# Allegro board MCU035_A_PCB.brd
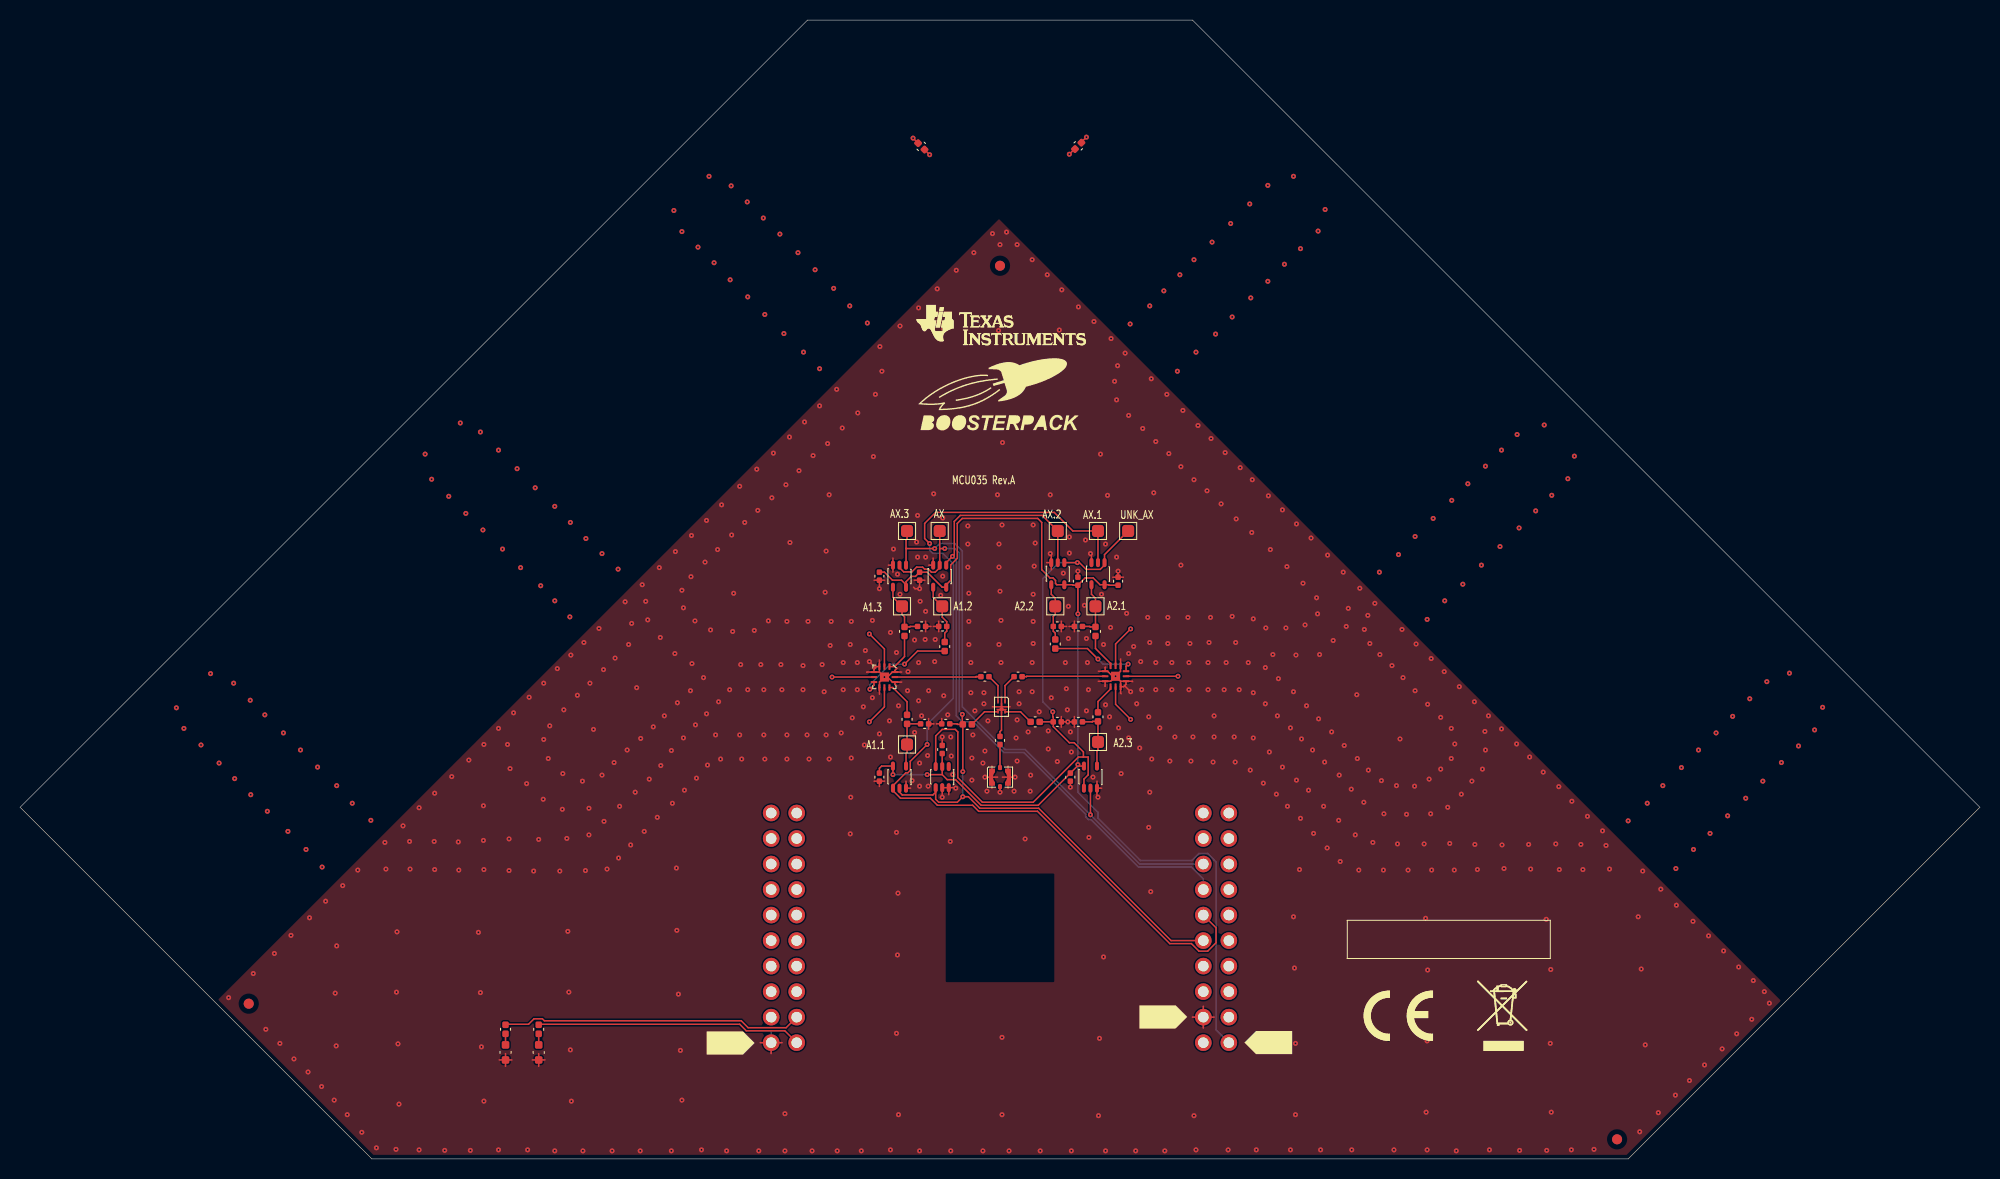
[diagram p0: board, top side]
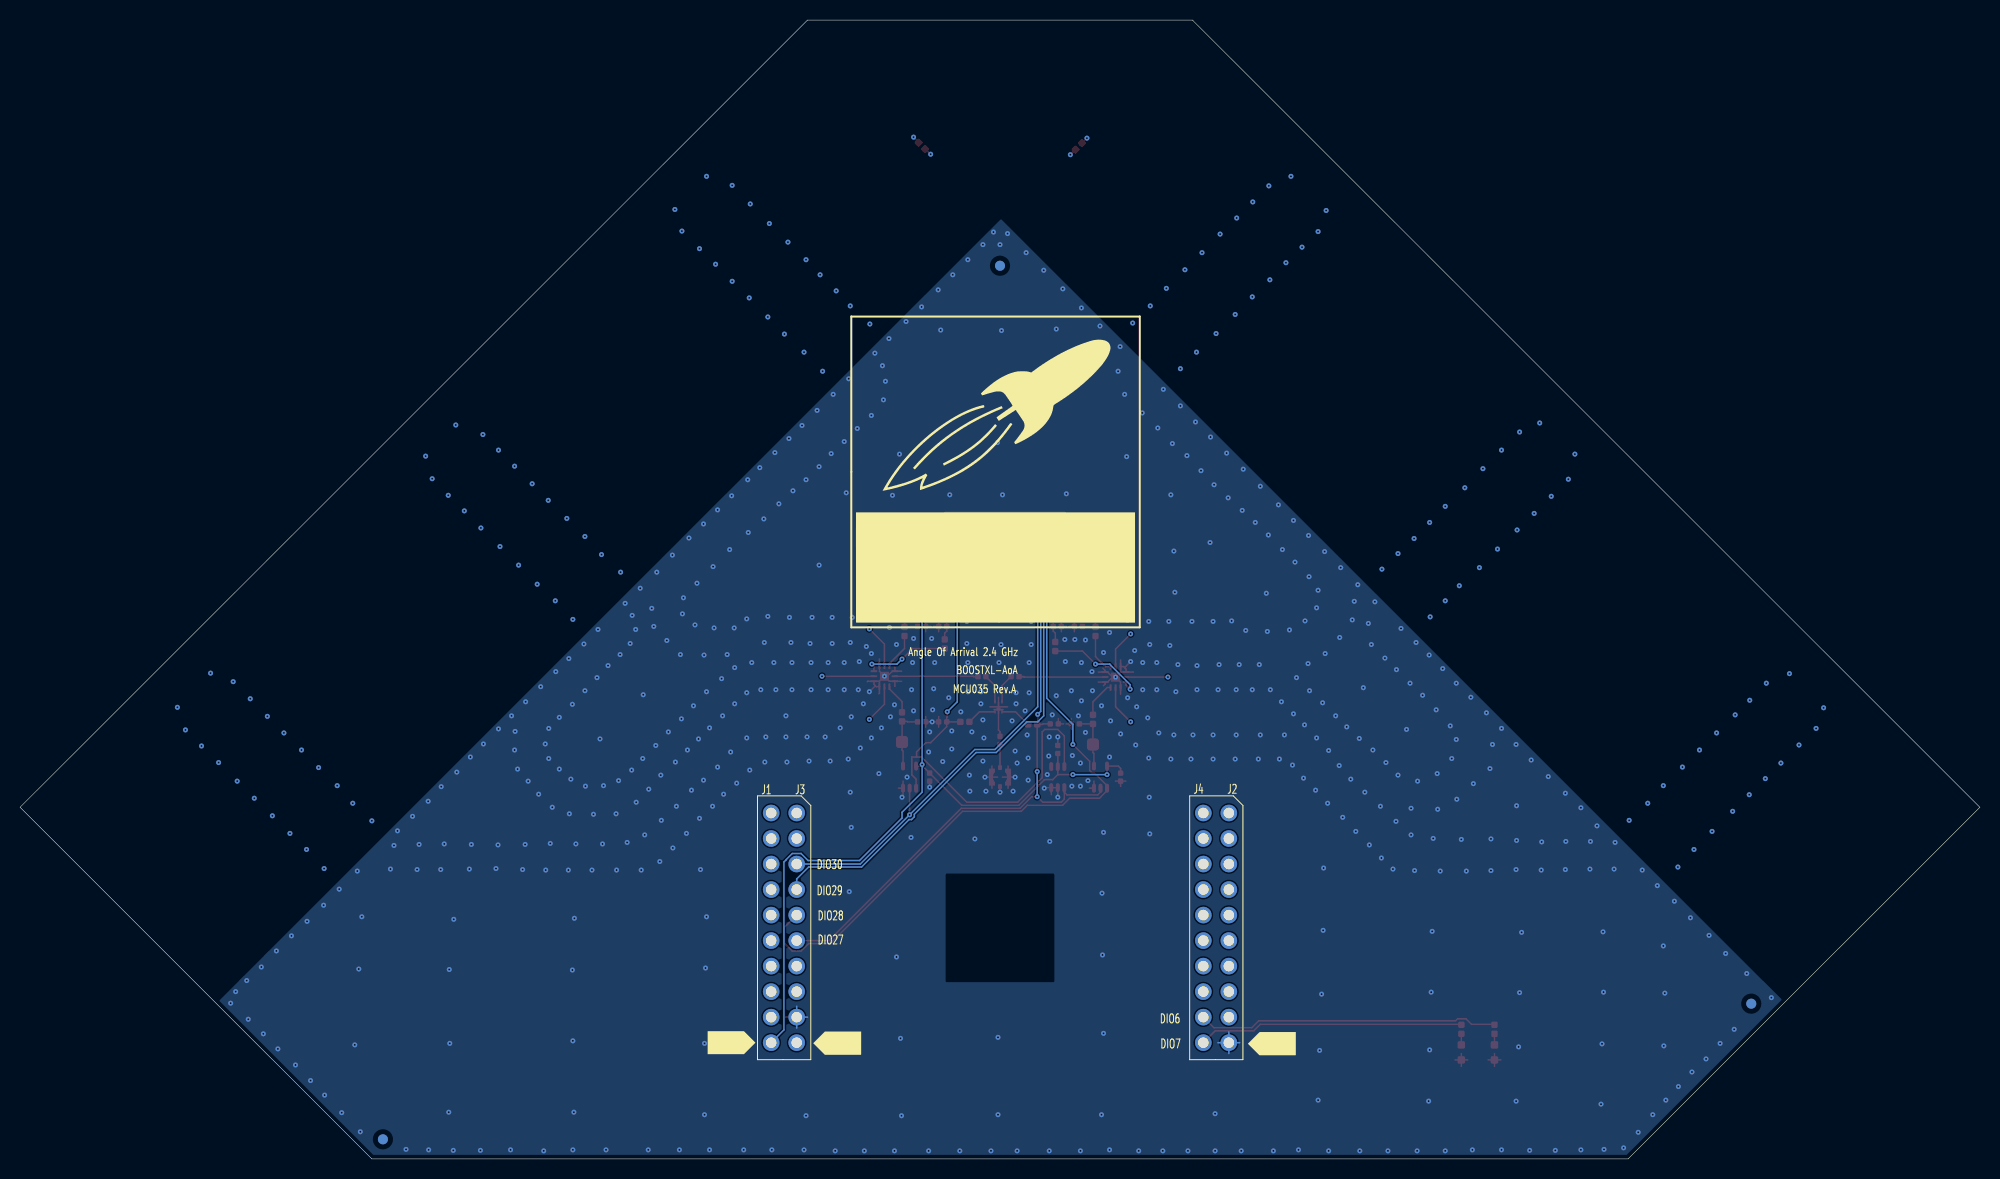
[diagram p1: board, bottom side, seen from below]

Outline 195 x 113.35 mm; copper layers: TOP, LAYER2, LAYER3, LAYER4, LAYER5, BOTTOM. Coordinates in mm from the lower left corner of the outline.
Outline path: 0,35 78.35,113.35 116.65,113.35 195,35 160,0 35,0 0,35

## Design rules (mm)
constraint set DEFAULT: min track width 0.15
net group AX: nets ANT1 ANT2 ANT3 ANT4 ANT5 ANT6

## Placement (name value [footprint] x y rotation side)
A1.1  TP_1.2MM_1.2MM_SMD  [TPS120]  88.25 41.25 0 top
A1.2  TP_1.2MM_1.2MM_SMD  [TPS120]  91.75 55 0 top
A1.3  TP_1.2MM_1.2MM_SMD  [TPS120]  87.75 55 0 top
A2.1  TP_1.2MM_1.2MM_SMD  [TPS120]  107 55 0 top
A2.2  TP_1.2MM_1.2MM_SMD  [TPS120]  103 55 0 top
A2.3  TP_1.2MM_1.2MM_SMD  [TPS120]  107.25 41.5 0 top
AX  TP_1.2MM_1.2MM_SMD  [TPS120]  91.5 62.5 0 top
AX.1  TP_1.2MM_1.2MM_SMD  [TPS120]  107.25 62.5 0 top
AX.2  TP_1.2MM_1.2MM_SMD  [TPS120]  103.25 62.5 0 top
AX.3  TP_1.2MM_1.2MM_SMD  [TPS120]  88.25 62.5 0 top
C1  12pF  [CAPC1005X60L]  91.7 43.3 0 top
C2  12pF  [CAPC1005X60L]  103.6 43.5 180 top
C3  12pF  [CAPC1005X60L]  104.9 53 0 top
C4  12pF  [CAPC1005X60L]  103.6 53 180 top
C5  12pF  [CAPC1005X60L]  104.9 43.5 0 top
C6  12pF  [CAPC1005X60L]  89.6 43.3 0 top
C7  12pF  [CAPC1005X60L]  92.2 53 180 top
C8  12pF  [CAPC1005X60L]  89.3 53 0 top
C9  100nF  [CAPC1005X60L]  91.75 40.35 90 top
C10  100nF  [CAPC1005X60L]  109.25 57.1 90 top
C11  100nF  [CAPC1005X60L]  105.25 57.1 90 top
C12  100nF  [CAPC1005X60L]  104.5 38.4 270 top
C13  100nF  [CAPC1005X60L]  85.5 37.6 90 top
C14  100nF  [CAPC1005X60L]  89.5 58.4 270 top
C15  100nF  [CAPC1005X60L]  85.5 58.4 270 top
C16  12pF  [CAPC1005X60L]  97.5 41.25 90 top
C17  12pF  [CAPC1005X60L]  95.6 48 0 top
C18  12pF  [CAPC1005X60L]  99.7 48 180 top
FIDU1  FIDU_1MM  [FID100X115]  22.75 15.45 0 top
FIDU2  FIDU_1MM  [FID100X115]  97.5 88.9 0 top
FIDU3  FIDU_1MM  [FID100X115]  158.9 1.95 0 top
FIDU4  FIDU_1MM  [FID100X115]  97.5 88.9 180 bottom
FIDU5  FIDU_1MM  [FID100X115]  22.75 15.45 180 bottom
FIDU6  FIDU_1MM  [FID100X115]  158.9 1.95 180 bottom
J1  SSQ-110-23-L-D  [SAMTEC_SSQ11023LD_A2B]  117.73 34.43 0 bottom
J2  SSQ-110-23-L-D  [SAMTEC_SSQ11023LD_A2B]  74.73 34.43 0 bottom
LBL1  -  [LABEL_BOOSTERPACK_ROCKET]  97.33 76.12 0 top
LBL2  -  [LABEL_FOR_EVALUATION_ONLY]  132.2 20.1 0 top
LBL4  TI_LOGO  [TI_LOGO_1]  90.17 85 0 top
LBL6  CE_label  [CE_LABEL]  136.3 11.75 0 top
LBL7  TRASH_7mm  [TRASH_7MM]  145.6 10.75 0 top
LED_GREEN  LPL296-J2L2-25  [LEDC1707X65L]  51.6 9.85 90 top
LED_RED  LS L296-P2Q2-1  [LEDC1708X67L]  48.3 9.85 90 top
NOREF  -  []  35 0 0 top
NOREF#2  -  []  92.5 20.7 0 top
NOREF#3  -  []  94.29 18 90 top
NOREF#4  -  []  125.7 10.25 0 top
NOREF#5  -  []  35 0 90 top
NOREF#6  -  []  121.7 13.5 0 top
NOREF#7  -  []  -23 -54.65 0 top
NOREF#8  -  []  -22.6 -55 0 top
NOREF#9  -  []  0 35 0 top
NOREF#10  -  []  116.65 113.35 0 top
NOREF#11  -  []  0 35 0 top
NOREF#12  -  []  78.35 113.35 0 top
NOREF#13  -  []  94.03 0 90 top
NOREF#14  -  []  160 0 0 top
NOREF#15  -  []  102.39 18.19 0 top
NOREF#16  -  []  0 35 0 top
NOREF#17  -  []  66.2 5.95 0 top
NOREF#18  -  []  0 35 0 top
NOREF#19  -  []  117.8 9.1 180 bottom
NOREF#20  -  []  112.3 52.9 180 bottom
NOREF#21  -  []  74.55 9.05 180 bottom
NOREF#22  -  []  126.65 10.35 180 bottom
P1  MM5829-2700  [MURATA_MM58292700RJ4_A2N]  97.5 38.95 270 top
R3  1k  [RESC1005X40A2N]  107 52.95 270 top
R4  1k  [RESC1005X40A2N]  103 51.7 270 top
R5  1k  [RESC1005X40A2N]  107.25 43.55 90 top
R6  1k  [RESC1005X40A2N]  88.25 43.3 90 top
R7  1k  [RESC1005X40A2N]  92 51.45 270 top
R8  1k  [RESC1005X40A2N]  88 52.95 270 top
R9  1k  [RESC1005X40A2N]  101.45 43.5 180 top
R10  1k  [RESC1005X40A2N]  93.8 43.25 0 top
R11  180  [RESC1005X40A2N]  51.6 12.45 90 top
R12  220  [RESC1005X40A2N]  48.3 12.45 90 top
R13  220  [RESC1005X40A2N]  89.35 101.1 315 top
R14  220  [RESC1005X40A2N]  105.6 101.15 225 top
U1  SKY13323-378  [QFNFC35P100X100X50-6N]  98 45.5 180 top
U2  SKY13408-465LF  [QFNFC50P200X200X65-13A2N]  86.5 49 180 top
U3  SKY13408-465LF  [QFNFC50P200X200X65-13A2N]  108.5 47 0 top
U5  SN74LVC2GU04  [SOT65P210X110-6N]  91.1 36.95 0 top
U6  SN74LVC1G08DCK  [SOT65P210X110-5N]  107.9 59.35 180 top
U7  SN74LVC1G08DCK  [SOT65P210X110-5N]  103.9 59.35 180 top
U8  SN74LVC1G08DCK  [SOT65P210X110-5N]  105.85 36.9 0 top
U9  SN74LVC1G08DCK  [SOT65P210X110-5N]  86.85 36.9 0 top
U10  SN74LVC1G08DCK  [SOT65P210X110-5N]  92.15 59.1 180 top
U11  SN74LVC1G08DCK  [SOT65P210X110-5N]  88.15 59.1 180 top
UNK_AX  TP_1.2MM_1.2MM_SMD  [TPS120]  110.25 62.5 0 top

## Library data of the parts
A1.1-A1.3 A2.1-A2.3 AX AX.1-AX.3 UNK_AX = TEST_POINT
C1-C18 = CAPACITOR: alternate symbols: (CAPC1005X60L,CAPC1005X60M)
FIDU1-FIDU6 = FIDMARK
J1 J2 = CONN_HEADER_2X10_J_S_V1: User Part Number: #PN; alternate symbols: (SAMTEC_SSQ11023LD_A2C,SAMTEC_SSQ11023LD_A2A)
LBL1 = LABEL_LAUNCHPAD_ROCKET: User Part Number: #PN
LBL2 = LABEL_FOR_EVALUATOIN_ONLY: User Part Number: #PN
LBL4 = TI_LOGO_V1
LBL6 = CE_LABEL
LBL7 = TRASH_V2: User Part Number: #PN
LED_GREEN = LED: alternate symbols: (LEDC1707X65L,LEDC1707X65M)
LED_RED = LED: alternate symbols: (LEDC1708X67L,LEDC1708X67M)
P1 = CONN_COAX_1_1_P_2MH_V1: User Part Number: #PN; alternate symbols: (MURATA_MM58292700RJ4_A2L,MURATA_MM58292700RJ4_A2M)
R3-R14 = RESISTOR: User Part Number: #PN; alternate symbols: (RESC1005X40A2L,RESC1005X40A2M)
U1 = IC_SWITCH_SKY13323-378L_QFN6: User Part Number: #PN
U2 U3 = IC_RF_SKY13408-465LF_QFN12_V1: User Part Number: #PN; alternate symbols: (QFNFC50P200X200X65-13A2L,QFNFC50P200X200X65-13A2M)
U5 = IC_LOGIC_SN74LVC2GU04_SC70_V1: alternate symbols: (SOT65P210X110-6L,SOT65P210X110-6M)
U6-U11 = IC_LOGIC_SN74LVC1G08_SC70-5_V1: alternate symbols: (SOT65P210X110-5L,SOT65P210X110-5M)

## Footprints (pads in the part's own frame, mm; a bottom-side part is the same pattern mirrored in y, then rotated)
CAPC1005X60L
  custom 0.55x0.54 smd: 1(0,0) 2(0.8,0)
CE_LABEL
  oval 0.025x0.051 smd: 1(-0.15,0.1)
FID100X115
  round 1 smd: 1(0,0)
LEDC1707X65L
  custom 0.75x0.75 smd: 1(0,0) 2(1.5,0)
LEDC1708X67L
  custom 0.75x0.75 smd: 1(0,0) 2(1.5,0)
MURATA_MM58292700RJ4_A2N
  custom 0.5x0.4 smd: 1(0,0) 2(1.9,0)
  custom 1.7x0.6 smd: M1(0.95,-0.8) M2(0.95,0.8)
QFNFC35P100X100X50-6N
  custom 0.15x0.35 smd: 1(0,0) 3(0.7,0) 4(0.7,1) 5(0.35,1) 6(0,1)
  custom 1x0.805 smd: 2(0.35,0.5)
QFNFC50P200X200X65-13A2N
  custom 0.2x0.65 smd: 1(0,0) 2(0.5,0) 3(1,0) 7(1,2.08) 8(0.5,2.08) 9(0,2.08)
  custom 0.65x0.2 smd: 4(1.54,0.54) 5(1.54,1.04) 6(1.54,1.54) 10(-0.54,1.54) 11(-0.54,1.04) 12(-0.54,0.54)
  rect 0.9x0.9 smd: 13(0.5,1.04)
RESC1005X40A2N
  custom 0.65x0.64 smd: 1(0,0) 2(0.9,0)
SAMTEC_SSQ11023LD_A2B
  round 1.65 hole 1.05: 1(0,0) 2(2.54,0) 3(0,2.54) 4(2.54,2.54) 5(0,5.08) 6(2.54,5.08) 7(0,7.62) 8(2.54,7.62) 9(0,10.16) 10(2.54,10.16) 11(0,12.7) 12(2.54,12.7) 13(0,15.24) 14(2.54,15.24) 15(0,17.78) 16(2.54,17.78) 17(0,20.32) 18(2.54,20.32) 19(0,22.86) 20(2.54,22.86)
SOT65P210X110-5N
  oval 0.4x0.9 smd: 1(0,0) 2(0.65,0) 3(1.3,0) 4(1.3,2.2) 5(0,2.2)
SOT65P210X110-6N
  oval 0.4x0.9 smd: 1(0,0) 2(0.65,0) 3(1.3,0) 4(1.3,2.1) 5(0.65,2.1) 6(0,2.1)
TPS120
  custom 1.2x1.2 smd: 1(0,0)

## Nets
GND: C1.1 C2.1 C3.1 C4.1 C5.1 C6.2 C7.2 C8.2 C9.2 C10.2 C11.2 C12.2 C13.1 C14.2 C15.2 J1.17 J2.19 LED_GREEN.1(C) LED_RED.1(C) P1.2 P1.M1 P1.M2 R13.2 R14.2 U1.2 U2.3 U2.4 U2.7 U2.10 U2.12 U2.13 U3.3 U3.4 U3.7 U3.10 U3.12 U3.13 U5.2 U5.3 U6.3 U7.3 U8.3 U9.3 U10.3 U11.3
GND2: R13.1
GND3: R14.1
VDDS: C9.1 C10.1 C11.1 C12.1 C13.2 C14.1 C15.1 J1.20 U5.5(VCC) U6.5 U7.5 U8.5 U9.5 U10.5 U11.5
_AX: C2.2 R9.1 U5.6 U6.1 U7.1 U8.1 UNK_AX.1
ANT1: U2.8
ANT2: U2.5
ANT3: U2.2
ANT4: U3.8
ANT5: U3.5
ANT6: U3.2
AX: AX.1 C1.2 J1.11 R10.1 U5.1 U9.2 U10.2 U11.2
AX.1: AX.1.1 J1.9 U6.2 U9.1
AX.2: AX.2.1 J1.7 U7.2 U10.1
AX.3: AX.3.1 J1.5 U8.2 U11.1
DIO6_RLED: J2.18 R12.2
DIO7_GLED/LED_PWM: J2.20 R11.2
N425181: C16.1 P1.1
N425288: C16.2 U1.5
N426207: C18.2 U1.1
N426219: C17.2 U1.3
N426254: C18.1 U3.11
N426301: C17.1 U2.11
N1430973: R3.2 U3.9
N1430985: A2.1.1 C3.2 R3.1 U6.4(Y)
N1431032: A2.2.1 C4.2 R4.1 U7.4(Y)
N1431076: A2.3.1 C5.2 R5.1 U8.4(Y)
N1431119: R4.2 U3.6
N1431128: R5.2 U3.1(V3)
N1436088: A1.3.1 C8.1 R8.1 U11.4(Y)
N1436095: A1.2.1 C7.1 R7.1 U10.4(Y)
N1436102: A1.1.1 C6.1 R6.1 U9.4(Y)
N1436751: R6.2 U2.9
N1436763: R7.2 U2.6
N1436767: R8.2 U2.1(V3)
N1437911: R9.2 U1.6
N1438003: R10.2 U1.4(VCTL2)
N1442122: LED_RED.2 R12.1
N1442126: LED_GREEN.2 R11.1

Pads without a net: FIDU1 1; FIDU2 1; FIDU3 1; FIDU4 1; FIDU5 1; FIDU6 1; J1 1 2 3 4 6 8 10 12 13 14 15 16 18 19; J2 1 2 3 4 5 6 7 8 9 10 11 12 13 14 15 16 17; LBL6 1; U5 4

## Via types
v1: diameter 0.5, hole 0.2, TOP to BOTTOM, 795 vias

## Routing (per net, layer and track width the routed paths; a pad name or vN(x,y) marks a point on that pad's centre or on a via; arc(x,y) is an arc through that point)
GND: length 106.5
  TOP w0.15: v1(109,48.04) 108.51,47.55 107.97,47.55 U3.12 ; v1(109,48.04) 108.7,48.04 108.2,48.54 U3.10 ; v1(109,48.04) 109.5,47.54 ; v1(109,48.04) 109.49,48.53 109.49,49.07 U3.7 109.5,49.75 ; 117.73,13.03 J1.17 ; J1.17 118.81,14.11 ; J1.17 117.73,15.19 ; J1.17 116.65,14.11 ; 91.4,52.48 C7.2 ; C7.2 91.4,53.52 ; C7.2 90.87,53 ; P1.M1 97.25,38 ; P1.M1 v1(96,38) ; P1.M1 96.7,39.1 ; P1.M1 96.7,36.9 ; 104.9,52.48 C3.1 ; C3.1 104.9,53.52 ; C3.1 104.37,53 ; U2.10 87.71,47.46 ; U2.10 86.8,47.46 86.3,47.96 ; U2.10 87.04,47.26 87.2,47.1 ; v1(86,47.96) 86,47.66 ; v1(86,47.96) 85.5,48.46 ; v1(86,47.96) 86.3,47.96 ; v1(86,47.96) 85.51,47.47 85.51,46.93 U2.7 ; C4.1 104.13,53 ; C4.1 103.6,53.52 ; C4.1 103.6,52.48 ; P1.2 v1(97.5,36.5) ; 90.4,59.1 U10.3 90.85,59.8 ; 84.98,37.6 C13.1 ; C13.1 85.5,37.07 ; C13.1 86.02,37.6 ; 109.5,47.54 U3.3 ; 109.5,47.54 U3.4 ; P1.M2 v1(99,38) ; P1.M2 97.75,38 ; P1.M2 98.3,36.9 ; P1.M2 98.3,39.1 ; C15.2 86.02,57.6 ; C15.2 v1(85.5,56.75) ; C15.2 84.98,57.6 ; 86.3,47.96 86.8,48.46 U2.12 ; J2.19 75.81,11.57 ; J2.19 74.73,10.49 ; J2.19 73.65,11.57 ; 107.95,47.05 107.96,47.06 U3.12 ; C11.2 v1(105.25,58.5) ; U1.2 97.65,45.95 ; U1.2 98.5,45 ; U1.2 96.75,45 ; U7.3 102.6,60.15 v1(102.5,60.25) ; U7.3 102.6,58.65 ; U7.3 102.15,59.35 ; R13.2 v1(90.5,99.95) ; U3.12 107.29,47.54 ; U2.4 84.96,48.76 85.08,48.88 ; U2.4 85.5,48.46 ; U2.4 84.26,48.46 84.25,48.45 ; 92.4,36.25 U5.3 ; U5.3 U5.2 v1(91.75,36) ; U5.3 92.85,36.95 ; 85.5,48.46 U2.3 ; 51.6,9.22 LED_GREEN.1 ; LED_GREEN.1 52.23,9.85 ; LED_GREEN.1 50.97,9.85 ; LED_GREEN.1 51.6,10.48 ; U3.3 109.8,47 109.91,47.11 ; U3.3 109.5,46.35 109.55,46.3 ; 109.91,47.11 109.91,47.09 v1(110.5,46.5) ; 109.91,47.11 110.04,47.24 U3.4 ; 88.9,56.9 89.05,56.75 v1(89.5,56.75) C14.2 ; v1(106.5,60.25) 106.6,60.15 U6.3 ; C2.1 103.6,44.02 ; C2.1 v1(104.25,43.5) C5.1 ; C2.1 103.6,42.98 ; 85.08,48.88 85.08,48.92 v1(84.5,49.5) ; 85.08,48.88 85.2,49 U2.3 ; U2.3 85.5,49.65 ; U2.7 85.5,46.25 ; U2.7 85.5,47.16 ; U3.4 110.66,47.54 110.7,47.5 ; U2.12 87.04,48.61 87.26,48.84 ; U2.12 87.71,48.46 ; C5.1 104.9,44.02 ; C5.1 104.9,42.98 ; C10.2 109.77,57.9 ; C10.2 v1(109.25,58.5) ; C10.2 108.73,57.9 ; U8.3 107.15,37.6 ; U8.3 107.15,36.1 v1(107.25,36) ; U8.3 107.6,36.9 ; LED_RED.1 48.93,9.85 ; LED_RED.1 48.3,9.22 ; LED_RED.1 47.67,9.85 ; LED_RED.1 48.3,10.48 ; 86.4,59.1 U11.3 ; U11.3 86.85,59.8 ; U11.3 86.85,58.4 ; 108,48.95 107.96,48.91 U3.10 ; 90.4,42.78 C6.2 ; C6.2 90.4,43.82 ; C6.2 90.93,43.3 ; 88.6,36.9 U9.3 88.15,37.6 ; 91.17,43.3 C1.1 91.7,43.82 ; C12.2 v1(104.5,37) ; C8.2 90.63,53 ; C8.2 90.1,53.52 ; C8.2 90.1,52.48 ; v1(104.4,100) 104.91,100.51 R14.2 ; U3.10 107.29,48.54 ; C14.2 88.98,57.6 ; C14.2 90.02,57.6 ; C9.2 v1(91.75,42)
  LAYER2 w0.15: 117.73,13.03 J1.17 ; J1.17 117.73,15.19 ; J1.17 118.81,14.11 ; J1.17 116.65,14.11 ; 74.73,10.49 J2.19 ; J2.19 74.73,12.65 ; J2.19 73.65,11.57 ; J2.19 75.81,11.57
  LAYER5 w0.15: 74.73,10.49 J2.19 ; J2.19 75.81,11.57 ; J2.19 74.73,12.65 ; J2.19 73.65,11.57 ; 117.73,13.03 J1.17 ; J1.17 116.65,14.11 ; J1.17 118.81,14.11 ; J1.17 117.73,15.19
  BOTTOM w0.15: 73.65,11.57 J2.19 ; J2.19 74.73,12.65 ; J2.19 74.73,10.49 ; J2.19 75.81,11.57 ; 117.73,13.03 J1.17 ; J1.17 117.73,15.19 ; J1.17 116.65,14.11
  vias: v1(15.55,44.9) v1(16.3,42.85) v1(18,41.2) v1(18.95,48.3) v1(19.8,39.4) v1(20.75,16.05) v1(21.25,47.35) v1(21.35,37.85) v1(22.9,45.65) v1(22.95,36.25) v1(23.2,18.45) v1(24.35,44.2) v1(24.45,12.9) v1(24.6,34.6) v1(25.3,20.45) v1(25.85,11.5) v1(26.2,42.4) v1(26.65,32.6) v1(26.95,22.25) v1(27.25,9.95) v1(27.9,40.7) v1(28.45,30.8) v1(28.65,8.65) v1(28.8,24) v1(29.6,39) v1(30.05,29.05) v1(30,7.2) v1(30.4,25.65) v1(31.25,5.85) v1(31.35,16.5) v1(31.5,37.15) v1(31.5,21.2) v1(31.45,11.25) v1(32.1,27.2) v1(32.55,4.4) v1(33.05,35.4) v1(33.6,28.75) v1(34,2.65) v1(34.9,33.7) v1(35.45,1.1) v1(36.3,31.5) v1(36.4,28.85) v1(37.4,0.95) v1(37.5,22.6) v1(37.45,16.6) v1(37.6,11.45) v1(37.7,5.45) v1(38.1,33.15) v1(38.75,31.6) v1(38.8,28.85) v1(39.7,34.95) v1(39.7,0.9) v1(40.3,70.15) v1(40.95,67.65) v1(41.25,36.4) v1(41.2,31.6) v1(41.25,28.8) v1(42.25,0.85) v1(42.65,65.95) v1(42.95,38.05) v1(43.6,31.55) v1(43.65,28.75) v1(43.8,73.25) v1(44.35,64.25) v1(44.65,39.7) v1(44.8,0.85) v1(45.6,22.55) v1(45.8,72.35) v1(45.8,16.55) v1(45.9,11.15) v1(46.05,62.6) v1(46.15,41.25) v1(46.1,35.15) v1(46.1,31.7) v1(46.15,28.8) v1(46.15,5.75) v1(47.6,70.55) v1(47.6,42.85) v1(47.6,0.9) v1(48,60.7) v1(48.5,41.25) v1(48.65,31.85) v1(48.65,28.7) v1(48.75,38.85) v1(49.1,44.4) v1(49.45,68.7) v1(49.8,58.85) v1(50.4,37.35) v1(50.5,0.9) v1(50.65,45.95) v1(51.1,28.65) v1(51.25,66.8) v1(51.6,31.8) v1(51.8,57.05) v1(52.05,35.8) v1(52.1,47.35) v1(52.1,41.75) v1(52.55,39.85) v1(52.7,43.1) v1(53.2,64.95) v1(53.2,55.55) v1(53.2,0.8) v1(53.45,48.8) v1(53.7,28.65) v1(54,38.35) v1(53.95,34.8) v1(54.1,44.7) v1(54.4,31.9) v1(54.5,22.65) v1(54.6,16.6) v1(54.7,53.95) v1(54.75,63.35) v1(54.8,50.15) v1(54.75,10.85) v1(54.85,5.75) v1(55.45,46.15) v1(55.95,37.6) v1(56,0.8) v1(56.1,51.4) v1(56.25,28.7) v1(56.3,61.75) v1(56.6,34.9) v1(56.6,32.25) v1(56.7,47.35) v1(57.05,42.75) v1(57.6,52.8) v1(57.9,60.25) v1(57.9,38.2) v1(58.05,48.7) v1(58.1,33.6) v1(58.4,28.85) v1(58.9,0.8) v1(59.1,39.45) v1(59.2,49.85) v1(59.5,58.7) v1(59.55,29.95) v1(59.65,35.1) v1(60.2,55.45) v1(60.4,40.7) v1(60.55,51.2) v1(60.85,53.3) v1(60.75,31.25) v1(61.2,36.5) v1(61.35,46.9) v1(61.7,0.8) v1(61.75,41.85) v1(61.9,57.15) v1(62.1,32.6) v1(62.25,55.5) v1(62.45,53.65) v1(62.6,37.8) v1(63,43) v1(63.4,34) v1(63.6,58.85) v1(63.7,51.9) v1(63.75,39.15) v1(64.1,44.1) v1(64.8,40.65) v1(64.8,0.8) v1(64.9,35.4) v1(65.05,94.4) v1(65.2,60.45) v1(65.15,50.3) v1(65.3,28.95) v1(65.35,22.75) v1(65.4,45.4) v1(65.5,16.4) v1(65.7,10.8) v1(65.85,92.3) v1(65.85,56.6) v1(65.85,5.85) v1(66,54.85) v1(66,41.9) v1(66.1,36.7) v1(66.7,46.6) v1(66.8,62.05) v1(66.75,57.95) v1(66.85,49.3) v1(67.15,53.55) v1(67.2,43.2) v1(67.3,37.9) v1(67.45,90.75) v1(67.8,0.9) v1(68,47.9) v1(68.15,59.4) v1(68.3,63.55) v1(68.3,44.3) v1(68.4,39.2) v1(68.55,97.8) v1(68.7,52.65) v1(69.05,89.2) v1(69.2,42.2) v1(69.4,60.65) v1(69.5,45.5) v1(69.7,39.8) v1(69.8,65.1) v1(70.3,0.8) v1(70.6,46.7) v1(70.65,87.5) v1(70.75,96.85) v1(70.8,62.1) v1(70.9,52.5) v1(71,56.3) v1(71.6,66.95) v1(71.6,42.2) v1(71.7,49.2) v1(71.8,39.8) v1(72.1,63.35) v1(72.35,95.25) v1(72.4,85.8) v1(72.4,46.7) v1(73.05,52.6) v1(73.3,68.65) v1(73.4,64.55) v1(73.5,0.8) v1(73.7,49.2) v1(73.95,93.65) v1(74,46.7) v1(74,42.2) v1(74.1,84.05) v1(74.1,39.8) v1(74.45,53.55) v1(74.8,65.8) v1(74.95,70.25) v1(75.6,92.05) v1(75.7,49.2) v1(75.8,46.7) v1(76,82.15) v1(76.1,4.5) v1(76.1,0.8) v1(76.2,67.1) v1(76.3,53.5) v1(76.3,42.2) v1(76.3,39.8) v1(76.55,71.85) v1(76.6,61.35) v1(77.4,90.2) v1(77.5,68.5) v1(77.9,49.1) v1(77.9,46.7) v1(77.95,80.3) v1(78.05,73.35) v1(78.3,42.2) v1(78.4,53.5) v1(78.5,39.8) v1(78.8,0.8) v1(78.9,70) v1(79.1,88.5) v1(79.55,78.65) v1(79.55,74.95) v1(79.8,49.2) v1(80,46.5) v1(80.1,56.4) v1(80.2,60.5) v1(80.2,42.2) v1(80.35,71.2) v1(80.5,66.1) v1(80.5,39.8) v1(80.6,51.1) v1(80.7,53.5) v1(80.95,86.65) v1(81.25,76.6) v1(81.3,0.8) v1(81.7,42.4) v1(81.8,72.75) v1(81.9,49.4) v1(81.9,46.7) v1(82.55,84.9) v1(82.6,51.2) v1(82.6,32.35) v1(82.7,53.5) v1(82.7,39.9) v1(82.65,36) v1(82.8,43.9) v1(83.35,74.25) v1(83.3,49.4) v1(83.3,46.7) v1(83.7,0.8) v1(83.9,45) v1(84,41.2) v1(84.1,50.6) v1(84.3,83.2) v1(84.8,53.6) v1(84.8,45.9) v1(84.9,69.9) v1(85.1,76.1) v1(85.55,80.85) v1(85.5,42.3) v1(85.75,78.4) v1(86.5,43.6) v1(86.6,52.4) v1(86.6,40) v1(86.6,0.9) v1(86.9,60.7) v1(87.2,50.4) v1(87.2,32.5) v1(87.2,12.5) v1(87.3,58.2) v1(87.35,26.45) v1(87.3,20.3) v1(87.4,45.1) v1(87.4,4.4) v1(87.55,82.9) v1(87.55,56.2) v1(88.35,48.5) v1(88.3,46.6) v1(88.75,37.65) v1(89,51.65) v1(89,42.45) v1(89.2,61.4) v1(89.3,64.05) v1(89.3,59.9) v1(89.4,84.7) v1(89.4,49.4) v1(89.4,45.6) v1(89.55,55.5) v1(89.5,39.4) v1(89.5,37.1) v1(89.5,0.8) v1(89.7,44.1) v1(90.05,51.7) v1(90.1,59.9) v1(90.1,54.5) v1(90.3,40.15) v1(90.35,37.1) v1(90.4,46.6) v1(90.9,66.2) v1(91.05,51.7) v1(91,49.5) v1(91.25,86.6) v1(91.6,56.1) v1(91.8,63.8) v1(91.8,58) v1(91.9,82.6) v1(91.9,46.1) v1(92.3,44.2) v1(92.55,31.6) v1(92.6,42) v1(92.6,0.8) v1(92.65,40.1) v1(92.8,38.25) v1(93.1,36.9) v1(93.15,88.45) v1(94.3,63) v1(94.3,61.2) v1(94.3,58.9) v1(94.4,56.3) v1(94.4,53.5) v1(94.4,51.2) v1(94.6,49.4) v1(94.6,46.4) v1(94.7,39.9) v1(94.7,37.7) v1(94.8,42.2) v1(94.9,90.2) v1(95,44.6) v1(95.8,39.4) v1(95.8,0.8) v1(95.9,46.4) v1(95.9,45.3) v1(96,40.6) v1(96.2,36.6) v1(96.3,43.6) v1(96.75,92.1) v1(97.25,66.1) v1(97.35,82.45) v1(97.4,61.2) v1(97.4,58.9) v1(97.4,51.2) v1(97.5,91) v1(97.5,56.5) v1(97.6,53.6) v1(97.6,49.4) v1(97.7,63.1) v1(97.7,12.1) v1(97.7,4.4) v1(97.75,71.3) v1(98.15,92.25) v1(98.4,0.8) v1(98.9,36.6) v1(99.1,41.9) v1(99.2,91) v1(99.2,43.7) v1(99.2,39.6) v1(99.4,46.5) v1(99.4,45.3) v1(100,31.85) v1(100.3,42.5) v1(100.55,38.2) v1(100.5,36.6) v1(100.7,89.5) v1(100.7,49.4) v1(100.7,46.5) v1(100.8,63.1) v1(100.8,56.2) v1(100.8,53.5) v1(100.8,51.3) v1(100.9,59) v1(101,61.3) v1(101.4,44.5) v1(101.5,0.8) v1(102.2,88) v1(102.3,42.6) v1(102.3,40.8) v1(102.5,66.1) v1(102.6,45.9) v1(103.2,39.55) v1(103.4,82.5) v1(103.65,86.5) v1(103.8,58.3) v1(104,49.4) v1(104.1,46.8) v1(104.2,44.7) v1(104.3,55) v1(104.3,51.8) v1(104.4,61.9) v1(104.4,60.3) v1(104.5,42.5) v1(104.6,40.5) v1(104.6,0.8) v1(105.3,84.8) v1(105.9,55.1) v1(106,61.6) v1(106.1,51.8) v1(106.1,44.6) v1(106.2,49.4) v1(106.3,46.7) v1(106.35,32) v1(106.85,83.35) v1(106.75,38) v1(107.3,4.3) v1(107.4,12) v1(107.5,70.15) v1(107.6,56.2) v1(107.8,51.2) v1(107.8,20.1) v1(108,61.2) v1(108,45.2) v1(108,0.8) v1(108.2,66.05) v1(108.4,44) v1(108.55,81.65) v1(108.5,52.9) v1(108.9,77.4) v1(109.1,75.55) v1(109.1,59.9) v1(109.2,78.95) v1(109.3,42.9) v1(109.55,38.35) v1(109.95,80.2) v1(110.1,54.3) v1(110.3,74) v1(110.3,50.3) v1(110.3,41.9) v1(110.45,83.1) v1(110.8,51) v1(111,0.8) v1(111.1,45.3) v1(111.4,40.9) v1(111.5,49.5) v1(111.6,46.7) v1(111.7,72.7) v1(112.2,53.9) v1(112.3,44) v1(112.3,33) v1(112.4,84.9) v1(112.4,51.4) v1(112.4,36.5) v1(112.55,77.65) v1(112.5,26.6) v1(112.6,39.8) v1(112.8,66.3) v1(113,71.4) v1(113,49.4) v1(113,46.7) v1(113.4,42.9) v1(113.8,86.4) v1(113.9,0.8) v1(114.1,76.1) v1(114.2,53.9) v1(114.2,51.3) v1(114.3,70.2) v1(114.4,39.6) v1(114.6,49.4) v1(114.6,46.7) v1(114.9,42) v1(115.15,78.4) v1(115.4,88) v1(115.5,68.9) v1(115.5,59.1) v1(115.7,74.5) v1(116.2,53.9) v1(116.3,49.4) v1(116.3,46.7) v1(116.4,51.3) v1(116.5,39.6) v1(116.7,42) v1(116.8,89.5) v1(116.8,67.6) v1(116.8,4.3) v1(117,80.3) v1(117,0.9) v1(117.2,73) v1(118.1,66.5) v1(118.2,49.4) v1(118.2,46.7) v1(118.3,51.4) v1(118.5,71.7) v1(118.45,53.9) v1(118.6,91.25) v1(118.7,39.5) v1(118.8,44.1) v1(118.8,42) v1(118.95,82.1) v1(119.5,65.2) v1(119.8,46.7) v1(119.9,70.3) v1(120,49.4) v1(120.2,0.9) v1(120.45,93.1) v1(120.6,83.8) v1(120.6,54) v1(120.8,42) v1(120.9,39.5) v1(121,63.7) v1(120.95,51.4) v1(121.3,46.7) v1(121.4,68.8) v1(122.2,49.4) v1(122.35,95.05) v1(122.4,38.7) v1(122.45,85.7) v1(122.55,62.35) v1(122.6,67.6) v1(122.7,53.75) v1(122.7,46.4) v1(122.7,41.9) v1(123,0.9) v1(123.7,37.4) v1(123.95,52.85) v1(123.9,48.9) v1(123.9,45.3) v1(124.15,96.9) v1(124.15,87.35) v1(124.2,66) v1(124.3,40.5) v1(124.4,60.65) v1(124.65,50.2) v1(125,36.3) v1(125.1,44.1) v1(125.2,47.8) v1(125.6,64.6) v1(125.6,39) v1(125.8,89.05) v1(125.95,52.85) v1(126.05,58.95) v1(126.1,35.1) v1(126.4,42.9) v1(126.4,0.9) v1(126.7,97.8) v1(126.7,46.5) v1(126.7,24.1) v1(126.8,19) v1(126.95,50.15) v1(126.9,11.5) v1(126.9,4.4) v1(127,63.2) v1(127,37.7) v1(127.3,28.8) v1(127.4,90.6) v1(127.4,33.9) v1(127.5,41.8) v1(127.65,57.3) v1(127.85,53.15) v1(128,45.1) v1(128.2,36.7) v1(128.45,61.8) v1(128.6,40.7) v1(128.7,32.4) v1(129,55.85) v1(129.1,54.25) v1(129.15,92.35) v1(129.2,43.8) v1(129.3,50.2) v1(129.4,0.9) v1(129.7,35.1) v1(129.85,94.5) v1(129.8,39.5) v1(130.1,60.1) v1(130.05,30.95) v1(130.5,42.5) v1(130.65,51.6) v1(131.25,38.2) v1(131.2,33.7) v1(131.35,29.6) v1(131.65,58.4) v1(131.75,41.15) v1(131.95,53) v1(132.15,54.8) v1(132.45,36.8) v1(132.5,0.9) v1(132.85,32.25) v1(133,46.2) v1(133.05,39.85) v1(133.2,28.75) v1(133.3,56.8) v1(133.7,35.5) v1(133.75,52.7) v1(134.1,54.1) v1(134.15,38.7) v1(134.3,51.3) v1(134.6,31.5) v1(134.8,55.3) v1(135.25,58.4) v1(135.3,50.2) v1(135.45,37.65) v1(135.7,34.35) v1(135.65,28.75) v1(136.5,49.1) v1(136.7,0.9) v1(136.95,37.15) v1(137.05,31.35) v1(137.15,60.15) v1(137.3,41.8) v1(137.5,52.7) v1(137.6,47.9) v1(137.95,34.3) v1(138.1,28.75) v1(138.8,61.95) v1(138.8,46.6) v1(138.75,37.1) v1(138.9,51.25) v1(139.7,31.35) v1(139.85,23.95) v1(139.9,4.65) v1(140,53.7) v1(140,11.75) v1(140,0.9) v1(140.05,45.25) v1(140.05,18.8) v1(140.2,37.8) v1(140.35,34.35) v1(140.4,49.8) v1(140.45,28.75) v1(140.6,63.75) v1(141.35,43.95) v1(141.35,38.8) v1(141.7,48.5) v1(141.75,55.55) v1(142.05,35) v1(142.25,31.4) v1(142.45,65.55) v1(142.4,42.85) v1(142.4,39.85) v1(142.7,28.75) v1(142.75,41.3) v1(142.9,0.8) v1(143.2,47) v1(143.4,36.3) v1(143.55,57.2) v1(144.05,67.2) v1(144.45,37.6) v1(144.7,45.5) v1(144.75,31.3) v1(145,28.8) v1(145.4,59.1) v1(145.5,38.8) v1(145.8,68.95) v1(145.75,42.55) v1(145.8,40.7) v1(146.1,44.1) v1(146.2,0.9) v1(147.25,60.95) v1(147.4,70.55) v1(147.4,42.8) v1(147.45,31.25) v1(147.65,28.9) v1(148.95,72.1) v1(148.9,41.3) v1(149.15,62.8) v1(149.2,0.85) v1(150.1,31.3) v1(150.2,40) v1(150.3,28.85) v1(150.8,64.5) v1(151.55,38.5) v1(151.65,73.05) v1(151.85,23.85) v1(151.9,0.85) v1(152.25,11.5) v1(152.3,18.85) v1(152.35,4.65) v1(152.4,66.05) v1(152.8,31.35) v1(153.1,37.05) v1(153.15,28.8) v1(154,67.7) v1(154.35,0.9) v1(154.4,35.6) v1(154.65,69.95) v1(155.3,31.3) v1(155.5,28.8) v1(155.95,34.1) v1(156.6,0.95) v1(157.45,32.65) v1(157.8,31.2) v1(158.15,28.85) v1(160,33.65) v1(161,24.1) v1(161.15,2.7) v1(161.3,18.9) v1(161.45,28.65) v1(161.7,11.35) v1(161.9,35.4) v1(163,4.6) v1(163.25,26.85) v1(163.45,37.15) v1(164.7,6.35) v1(164.75,28.9) v1(164.8,25.25) v1(165.3,38.95) v1(166.1,7.8) v1(166.45,23.65) v1(166.5,30.8) v1(167,40.7) v1(167.6,9.35) v1(168,22.2) v1(168.15,32.4) v1(168.75,42.4) v1(169.35,10.95) v1(169.5,20.7) v1(169.9,34.15) v1(170.4,44.05) v1(170.8,12.45) v1(171,19.1) v1(171.7,35.9) v1(172.1,45.8) v1(172.3,13.9) v1(172.45,17.75) v1(173.4,37.6) v1(173.55,16.65) v1(173.8,47.5) v1(174.05,15.5) v1(175.25,39.45) v1(176.05,48.35) v1(176.95,41.1) v1(178.55,42.7) v1(179.35,44.95)